# KiCad board testhologram.kicad_pcb
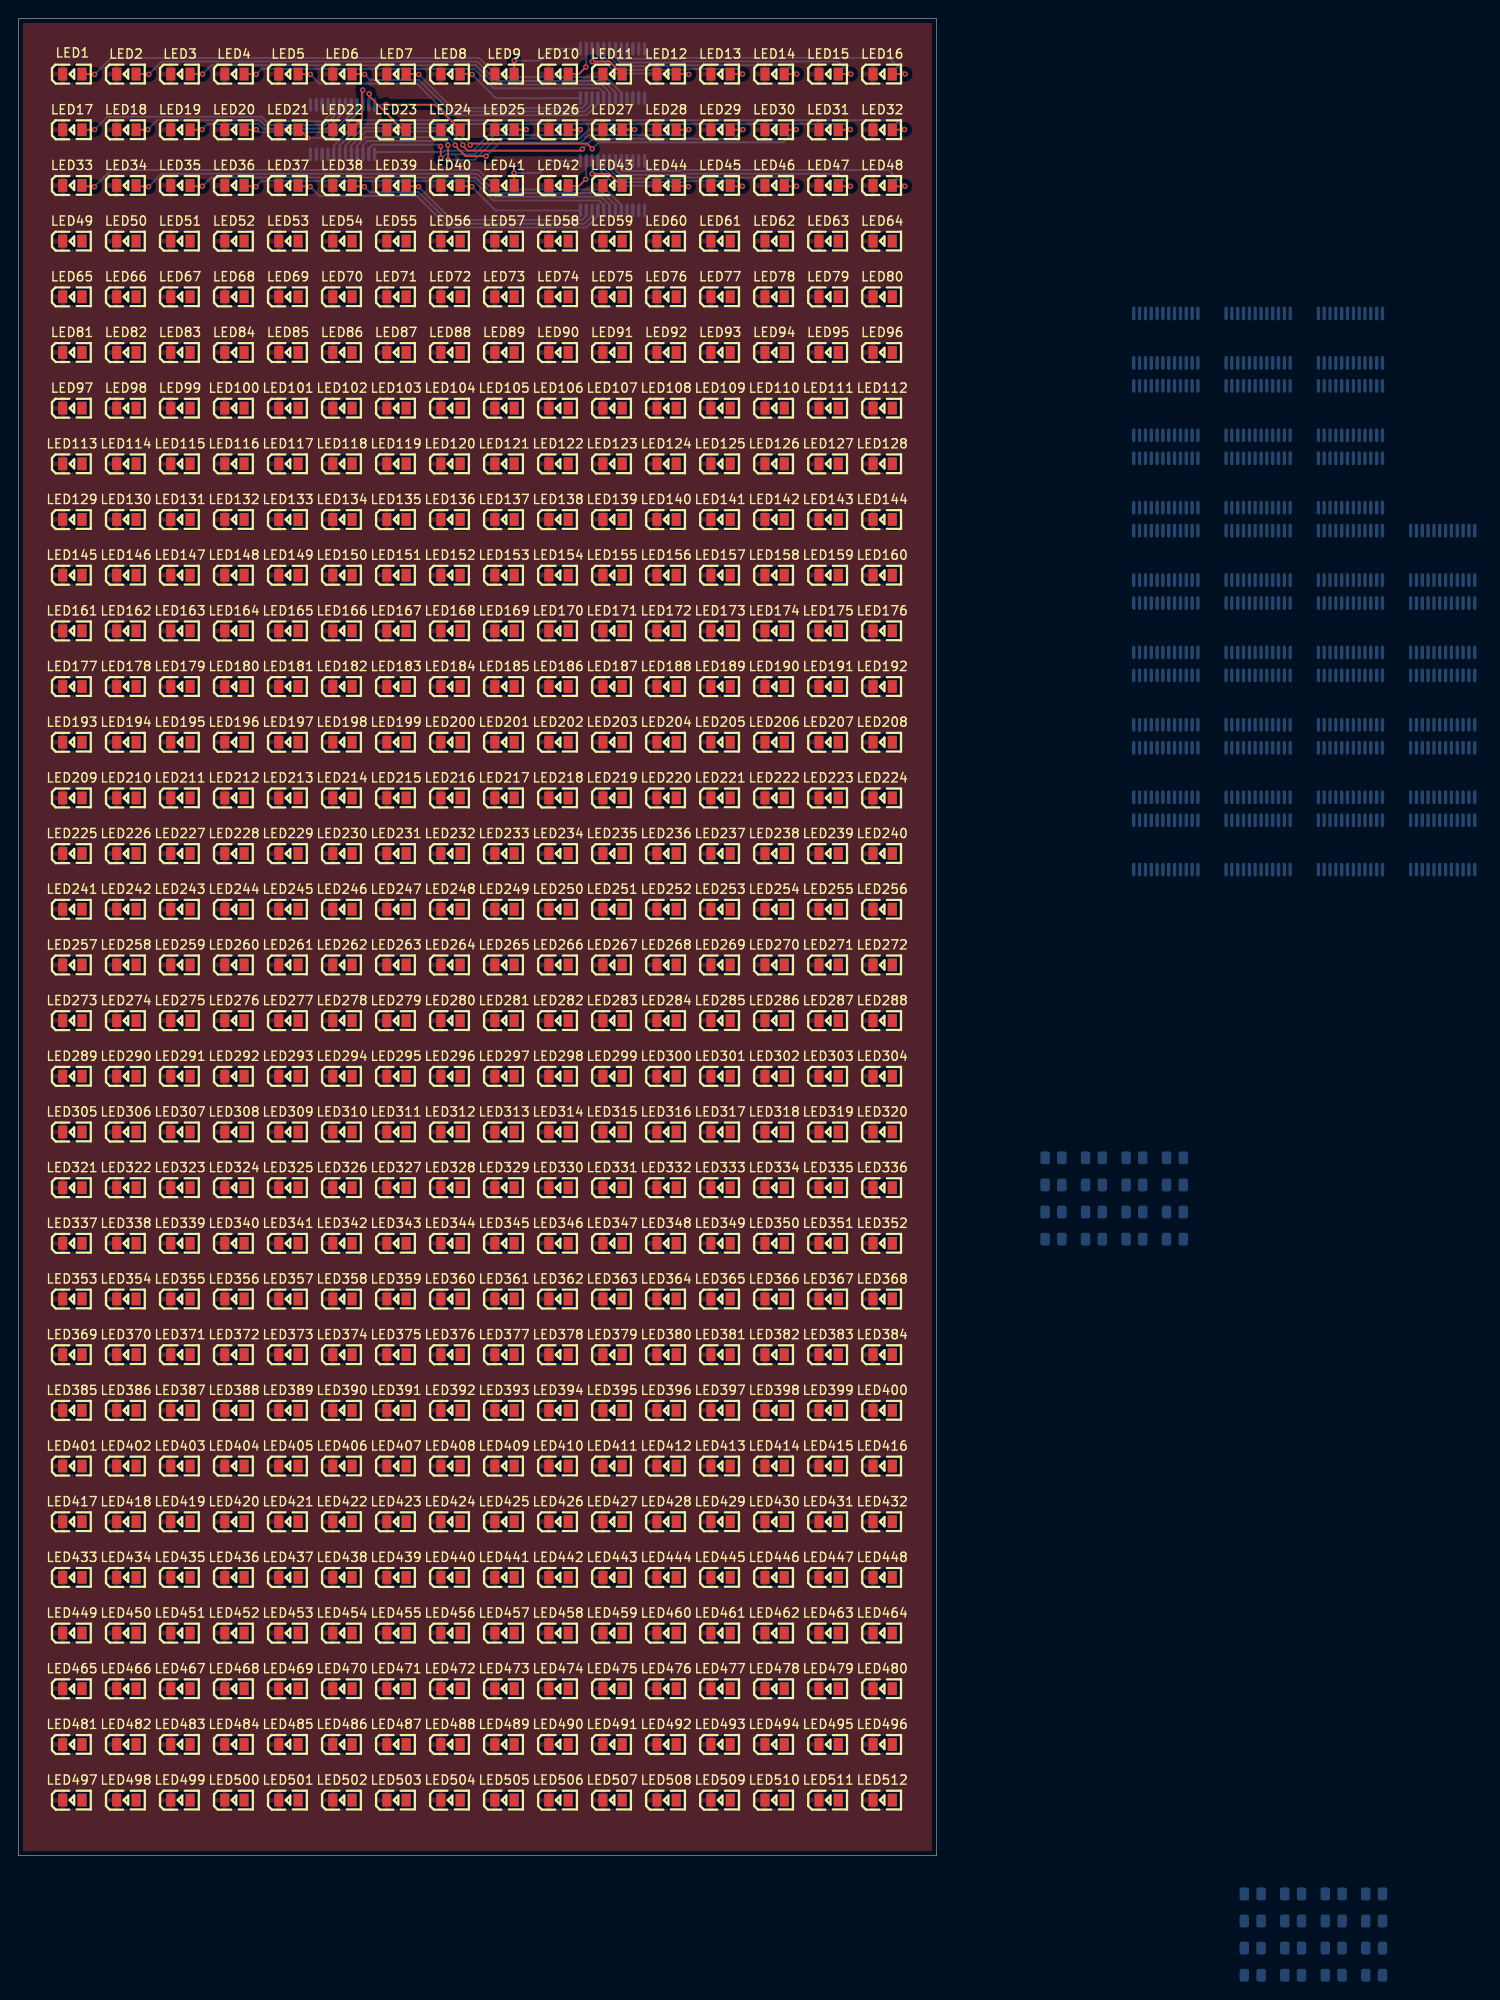
[diagram p0: board, top side]
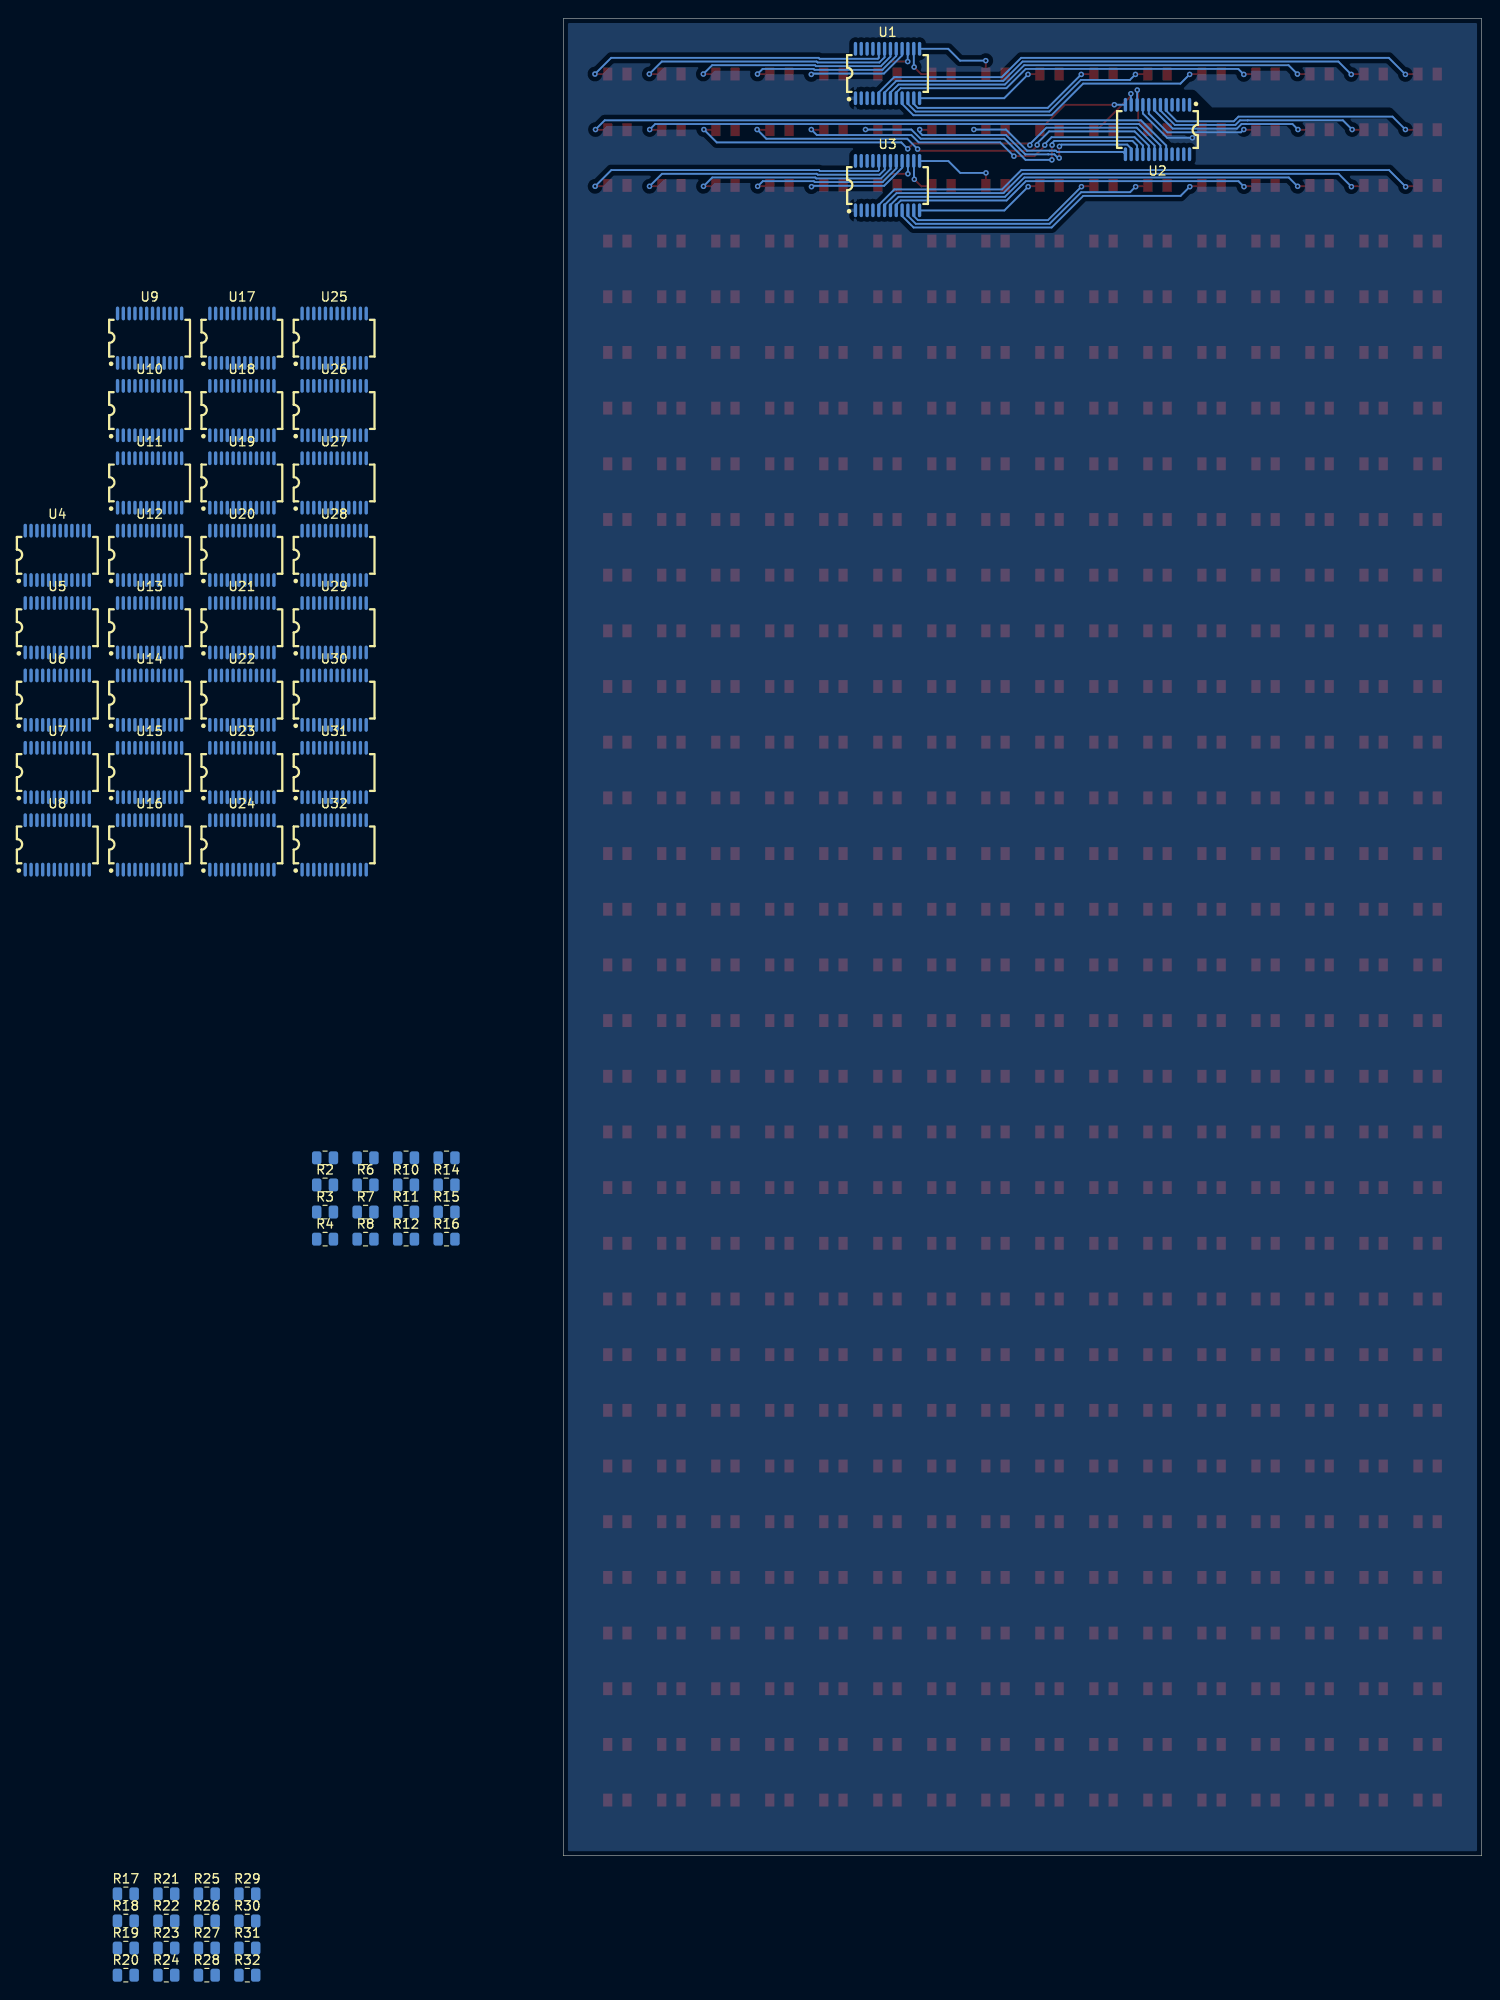
[diagram p1: board, bottom side, seen from below]

Outline 100 x 200 mm; copper layers: Top, Bottom. Coordinates in mm from the lower left corner of the outline.
Outline path: rectangle 0,200 100,0

## Placement (name value [footprint] x y rotation side)
LED1  0805G (Green)  [LED0805-R-RD]  5.88 193.94 0 top
LED2  0805G (Green)  [LED0805-R-RD]  11.76 193.94 0 top
LED3  0805G (Green)  [LED0805-R-RD]  17.65 193.94 0 top
LED4  0805G (Green)  [LED0805-R-RD]  23.53 193.94 0 top
LED5  0805G (Green)  [LED0805-R-RD]  29.41 193.94 0 top
LED6  0805G (Green)  [LED0805-R-RD]  35.29 193.94 0 top
LED7  0805G (Green)  [LED0805-R-RD]  41.18 193.94 0 top
LED8  0805G (Green)  [LED0805-R-RD]  47.06 193.94 0 top
LED9  0805G (Green)  [LED0805-R-RD]  52.94 193.94 0 top
LED10  0805G (Green)  [LED0805-R-RD]  58.82 193.94 0 top
LED11  0805G (Green)  [LED0805-R-RD]  64.71 193.94 0 top
LED12  0805G (Green)  [LED0805-R-RD]  70.59 193.94 0 top
LED13  0805G (Green)  [LED0805-R-RD]  76.47 193.94 0 top
LED14  0805G (Green)  [LED0805-R-RD]  82.35 193.94 0 top
LED15  0805G (Green)  [LED0805-R-RD]  88.24 193.94 0 top
LED16  0805G (Green)  [LED0805-R-RD]  94.12 193.94 0 top
LED17  0805G (Green)  [LED0805-R-RD]  5.88 187.88 0 top
LED18  0805G (Green)  [LED0805-R-RD]  11.76 187.88 0 top
LED19  0805G (Green)  [LED0805-R-RD]  17.65 187.88 0 top
LED20  0805G (Green)  [LED0805-R-RD]  23.53 187.88 0 top
LED21  0805G (Green)  [LED0805-R-RD]  29.41 187.88 0 top
LED22  0805G (Green)  [LED0805-R-RD]  35.29 187.88 0 top
LED23  0805G (Green)  [LED0805-R-RD]  41.18 187.88 0 top
LED24  0805G (Green)  [LED0805-R-RD]  47.06 187.88 0 top
LED25  0805G (Green)  [LED0805-R-RD]  52.94 187.88 0 top
LED26  0805G (Green)  [LED0805-R-RD]  58.82 187.88 0 top
LED27  0805G (Green)  [LED0805-R-RD]  64.71 187.88 0 top
LED28  0805G (Green)  [LED0805-R-RD]  70.59 187.88 0 top
LED29  0805G (Green)  [LED0805-R-RD]  76.47 187.88 0 top
LED30  0805G (Green)  [LED0805-R-RD]  82.35 187.88 0 top
LED31  0805G (Green)  [LED0805-R-RD]  88.24 187.88 0 top
LED32  0805G (Green)  [LED0805-R-RD]  94.12 187.88 0 top
LED33  0805G (Green)  [LED0805-R-RD]  5.88 181.82 0 top
LED34  0805G (Green)  [LED0805-R-RD]  11.76 181.82 0 top
LED35  0805G (Green)  [LED0805-R-RD]  17.65 181.82 0 top
LED36  0805G (Green)  [LED0805-R-RD]  23.53 181.82 0 top
LED37  0805G (Green)  [LED0805-R-RD]  29.41 181.82 0 top
LED38  0805G (Green)  [LED0805-R-RD]  35.29 181.82 0 top
LED39  0805G (Green)  [LED0805-R-RD]  41.18 181.82 0 top
LED40  0805G (Green)  [LED0805-R-RD]  47.06 181.82 0 top
LED41  0805G (Green)  [LED0805-R-RD]  52.94 181.82 0 top
LED42  0805G (Green)  [LED0805-R-RD]  58.82 181.82 0 top
LED43  0805G (Green)  [LED0805-R-RD]  64.71 181.82 0 top
LED44  0805G (Green)  [LED0805-R-RD]  70.59 181.82 0 top
LED45  0805G (Green)  [LED0805-R-RD]  76.47 181.82 0 top
LED46  0805G (Green)  [LED0805-R-RD]  82.35 181.82 0 top
LED47  0805G (Green)  [LED0805-R-RD]  88.24 181.82 0 top
LED48  0805G (Green)  [LED0805-R-RD]  94.12 181.82 0 top
LED49  0805G (Green)  [LED0805-R-RD]  5.88 175.76 0 top
LED50  0805G (Green)  [LED0805-R-RD]  11.76 175.76 0 top
LED51  0805G (Green)  [LED0805-R-RD]  17.65 175.76 0 top
LED52  0805G (Green)  [LED0805-R-RD]  23.53 175.76 0 top
LED53  0805G (Green)  [LED0805-R-RD]  29.41 175.76 0 top
LED54  0805G (Green)  [LED0805-R-RD]  35.29 175.76 0 top
LED55  0805G (Green)  [LED0805-R-RD]  41.18 175.76 0 top
LED56  0805G (Green)  [LED0805-R-RD]  47.06 175.76 0 top
LED57  0805G (Green)  [LED0805-R-RD]  52.94 175.76 0 top
LED58  0805G (Green)  [LED0805-R-RD]  58.82 175.76 0 top
LED59  0805G (Green)  [LED0805-R-RD]  64.71 175.76 0 top
LED60  0805G (Green)  [LED0805-R-RD]  70.59 175.76 0 top
LED61  0805G (Green)  [LED0805-R-RD]  76.47 175.76 0 top
LED62  0805G (Green)  [LED0805-R-RD]  82.35 175.76 0 top
LED63  0805G (Green)  [LED0805-R-RD]  88.24 175.76 0 top
LED64  0805G (Green)  [LED0805-R-RD]  94.12 175.76 0 top
LED65  0805G (Green)  [LED0805-R-RD]  5.88 169.7 0 top
LED66  0805G (Green)  [LED0805-R-RD]  11.76 169.7 0 top
LED67  0805G (Green)  [LED0805-R-RD]  17.65 169.7 0 top
LED68  0805G (Green)  [LED0805-R-RD]  23.53 169.7 0 top
LED69  0805G (Green)  [LED0805-R-RD]  29.41 169.7 0 top
LED70  0805G (Green)  [LED0805-R-RD]  35.29 169.7 0 top
LED71  0805G (Green)  [LED0805-R-RD]  41.18 169.7 0 top
LED72  0805G (Green)  [LED0805-R-RD]  47.06 169.7 0 top
LED73  0805G (Green)  [LED0805-R-RD]  52.94 169.7 0 top
LED74  0805G (Green)  [LED0805-R-RD]  58.82 169.7 0 top
LED75  0805G (Green)  [LED0805-R-RD]  64.71 169.7 0 top
LED76  0805G (Green)  [LED0805-R-RD]  70.59 169.7 0 top
LED77  0805G (Green)  [LED0805-R-RD]  76.47 169.7 0 top
LED78  0805G (Green)  [LED0805-R-RD]  82.35 169.7 0 top
LED79  0805G (Green)  [LED0805-R-RD]  88.24 169.7 0 top
LED80  0805G (Green)  [LED0805-R-RD]  94.12 169.7 0 top
LED81  0805G (Green)  [LED0805-R-RD]  5.88 163.64 0 top
LED82  0805G (Green)  [LED0805-R-RD]  11.76 163.64 0 top
LED83  0805G (Green)  [LED0805-R-RD]  17.65 163.64 0 top
LED84  0805G (Green)  [LED0805-R-RD]  23.53 163.64 0 top
LED85  0805G (Green)  [LED0805-R-RD]  29.41 163.64 0 top
LED86  0805G (Green)  [LED0805-R-RD]  35.29 163.64 0 top
LED87  0805G (Green)  [LED0805-R-RD]  41.18 163.64 0 top
LED88  0805G (Green)  [LED0805-R-RD]  47.06 163.64 0 top
LED89  0805G (Green)  [LED0805-R-RD]  52.94 163.64 0 top
LED90  0805G (Green)  [LED0805-R-RD]  58.82 163.64 0 top
LED91  0805G (Green)  [LED0805-R-RD]  64.71 163.64 0 top
LED92  0805G (Green)  [LED0805-R-RD]  70.59 163.64 0 top
LED93  0805G (Green)  [LED0805-R-RD]  76.47 163.64 0 top
LED94  0805G (Green)  [LED0805-R-RD]  82.35 163.64 0 top
LED95  0805G (Green)  [LED0805-R-RD]  88.24 163.64 0 top
LED96  0805G (Green)  [LED0805-R-RD]  94.12 163.64 0 top
LED97  0805G (Green)  [LED0805-R-RD]  5.88 157.58 0 top
LED98  0805G (Green)  [LED0805-R-RD]  11.76 157.58 0 top
LED99  0805G (Green)  [LED0805-R-RD]  17.65 157.58 0 top
LED100  0805G (Green)  [LED0805-R-RD]  23.53 157.58 0 top
LED101  0805G (Green)  [LED0805-R-RD]  29.41 157.58 0 top
LED102  0805G (Green)  [LED0805-R-RD]  35.29 157.58 0 top
LED103  0805G (Green)  [LED0805-R-RD]  41.18 157.58 0 top
LED104  0805G (Green)  [LED0805-R-RD]  47.06 157.58 0 top
LED105  0805G (Green)  [LED0805-R-RD]  52.94 157.58 0 top
LED106  0805G (Green)  [LED0805-R-RD]  58.82 157.58 0 top
LED107  0805G (Green)  [LED0805-R-RD]  64.71 157.58 0 top
LED108  0805G (Green)  [LED0805-R-RD]  70.59 157.58 0 top
LED109  0805G (Green)  [LED0805-R-RD]  76.47 157.58 0 top
LED110  0805G (Green)  [LED0805-R-RD]  82.35 157.58 0 top
LED111  0805G (Green)  [LED0805-R-RD]  88.24 157.58 0 top
LED112  0805G (Green)  [LED0805-R-RD]  94.12 157.58 0 top
LED113  0805G (Green)  [LED0805-R-RD]  5.88 151.52 0 top
LED114  0805G (Green)  [LED0805-R-RD]  11.76 151.52 0 top
LED115  0805G (Green)  [LED0805-R-RD]  17.65 151.52 0 top
LED116  0805G (Green)  [LED0805-R-RD]  23.53 151.52 0 top
LED117  0805G (Green)  [LED0805-R-RD]  29.41 151.52 0 top
LED118  0805G (Green)  [LED0805-R-RD]  35.29 151.52 0 top
LED119  0805G (Green)  [LED0805-R-RD]  41.18 151.52 0 top
LED120  0805G (Green)  [LED0805-R-RD]  47.06 151.52 0 top
LED121  0805G (Green)  [LED0805-R-RD]  52.94 151.52 0 top
LED122  0805G (Green)  [LED0805-R-RD]  58.82 151.52 0 top
LED123  0805G (Green)  [LED0805-R-RD]  64.71 151.52 0 top
LED124  0805G (Green)  [LED0805-R-RD]  70.59 151.52 0 top
LED125  0805G (Green)  [LED0805-R-RD]  76.47 151.52 0 top
LED126  0805G (Green)  [LED0805-R-RD]  82.35 151.52 0 top
LED127  0805G (Green)  [LED0805-R-RD]  88.24 151.52 0 top
LED128  0805G (Green)  [LED0805-R-RD]  94.12 151.52 0 top
LED129  0805G (Green)  [LED0805-R-RD]  5.88 145.45 0 top
LED130  0805G (Green)  [LED0805-R-RD]  11.76 145.45 0 top
LED131  0805G (Green)  [LED0805-R-RD]  17.65 145.45 0 top
LED132  0805G (Green)  [LED0805-R-RD]  23.53 145.45 0 top
LED133  0805G (Green)  [LED0805-R-RD]  29.41 145.45 0 top
LED134  0805G (Green)  [LED0805-R-RD]  35.29 145.45 0 top
LED135  0805G (Green)  [LED0805-R-RD]  41.18 145.45 0 top
LED136  0805G (Green)  [LED0805-R-RD]  47.06 145.45 0 top
LED137  0805G (Green)  [LED0805-R-RD]  52.94 145.45 0 top
LED138  0805G (Green)  [LED0805-R-RD]  58.82 145.45 0 top
LED139  0805G (Green)  [LED0805-R-RD]  64.71 145.45 0 top
LED140  0805G (Green)  [LED0805-R-RD]  70.59 145.45 0 top
LED141  0805G (Green)  [LED0805-R-RD]  76.47 145.45 0 top
LED142  0805G (Green)  [LED0805-R-RD]  82.35 145.45 0 top
LED143  0805G (Green)  [LED0805-R-RD]  88.24 145.45 0 top
LED144  0805G (Green)  [LED0805-R-RD]  94.12 145.45 0 top
LED145  0805G (Green)  [LED0805-R-RD]  5.88 139.39 0 top
LED146  0805G (Green)  [LED0805-R-RD]  11.76 139.39 0 top
LED147  0805G (Green)  [LED0805-R-RD]  17.65 139.39 0 top
LED148  0805G (Green)  [LED0805-R-RD]  23.53 139.39 0 top
LED149  0805G (Green)  [LED0805-R-RD]  29.41 139.39 0 top
LED150  0805G (Green)  [LED0805-R-RD]  35.29 139.39 0 top
LED151  0805G (Green)  [LED0805-R-RD]  41.18 139.39 0 top
LED152  0805G (Green)  [LED0805-R-RD]  47.06 139.39 0 top
LED153  0805G (Green)  [LED0805-R-RD]  52.94 139.39 0 top
LED154  0805G (Green)  [LED0805-R-RD]  58.82 139.39 0 top
LED155  0805G (Green)  [LED0805-R-RD]  64.71 139.39 0 top
LED156  0805G (Green)  [LED0805-R-RD]  70.59 139.39 0 top
LED157  0805G (Green)  [LED0805-R-RD]  76.47 139.39 0 top
LED158  0805G (Green)  [LED0805-R-RD]  82.35 139.39 0 top
LED159  0805G (Green)  [LED0805-R-RD]  88.24 139.39 0 top
LED160  0805G (Green)  [LED0805-R-RD]  94.12 139.39 0 top
LED161  0805G (Green)  [LED0805-R-RD]  5.88 133.33 0 top
LED162  0805G (Green)  [LED0805-R-RD]  11.76 133.33 0 top
LED163  0805G (Green)  [LED0805-R-RD]  17.65 133.33 0 top
LED164  0805G (Green)  [LED0805-R-RD]  23.53 133.33 0 top
LED165  0805G (Green)  [LED0805-R-RD]  29.41 133.33 0 top
LED166  0805G (Green)  [LED0805-R-RD]  35.29 133.33 0 top
LED167  0805G (Green)  [LED0805-R-RD]  41.18 133.33 0 top
LED168  0805G (Green)  [LED0805-R-RD]  47.06 133.33 0 top
LED169  0805G (Green)  [LED0805-R-RD]  52.94 133.33 0 top
LED170  0805G (Green)  [LED0805-R-RD]  58.82 133.33 0 top
LED171  0805G (Green)  [LED0805-R-RD]  64.71 133.33 0 top
LED172  0805G (Green)  [LED0805-R-RD]  70.59 133.33 0 top
LED173  0805G (Green)  [LED0805-R-RD]  76.47 133.33 0 top
LED174  0805G (Green)  [LED0805-R-RD]  82.35 133.33 0 top
LED175  0805G (Green)  [LED0805-R-RD]  88.24 133.33 0 top
LED176  0805G (Green)  [LED0805-R-RD]  94.12 133.33 0 top
LED177  0805G (Green)  [LED0805-R-RD]  5.88 127.27 0 top
LED178  0805G (Green)  [LED0805-R-RD]  11.76 127.27 0 top
LED179  0805G (Green)  [LED0805-R-RD]  17.65 127.27 0 top
LED180  0805G (Green)  [LED0805-R-RD]  23.53 127.27 0 top
LED181  0805G (Green)  [LED0805-R-RD]  29.41 127.27 0 top
LED182  0805G (Green)  [LED0805-R-RD]  35.29 127.27 0 top
LED183  0805G (Green)  [LED0805-R-RD]  41.18 127.27 0 top
LED184  0805G (Green)  [LED0805-R-RD]  47.06 127.27 0 top
LED185  0805G (Green)  [LED0805-R-RD]  52.94 127.27 0 top
LED186  0805G (Green)  [LED0805-R-RD]  58.82 127.27 0 top
LED187  0805G (Green)  [LED0805-R-RD]  64.71 127.27 0 top
LED188  0805G (Green)  [LED0805-R-RD]  70.59 127.27 0 top
LED189  0805G (Green)  [LED0805-R-RD]  76.47 127.27 0 top
LED190  0805G (Green)  [LED0805-R-RD]  82.35 127.27 0 top
LED191  0805G (Green)  [LED0805-R-RD]  88.24 127.27 0 top
LED192  0805G (Green)  [LED0805-R-RD]  94.12 127.27 0 top
LED193  0805G (Green)  [LED0805-R-RD]  5.88 121.21 0 top
LED194  0805G (Green)  [LED0805-R-RD]  11.76 121.21 0 top
LED195  0805G (Green)  [LED0805-R-RD]  17.65 121.21 0 top
LED196  0805G (Green)  [LED0805-R-RD]  23.53 121.21 0 top
LED197  0805G (Green)  [LED0805-R-RD]  29.41 121.21 0 top
LED198  0805G (Green)  [LED0805-R-RD]  35.29 121.21 0 top
LED199  0805G (Green)  [LED0805-R-RD]  41.18 121.21 0 top
LED200  0805G (Green)  [LED0805-R-RD]  47.06 121.21 0 top
LED201  0805G (Green)  [LED0805-R-RD]  52.94 121.21 0 top
LED202  0805G (Green)  [LED0805-R-RD]  58.82 121.21 0 top
LED203  0805G (Green)  [LED0805-R-RD]  64.71 121.21 0 top
LED204  0805G (Green)  [LED0805-R-RD]  70.59 121.21 0 top
LED205  0805G (Green)  [LED0805-R-RD]  76.47 121.21 0 top
LED206  0805G (Green)  [LED0805-R-RD]  82.35 121.21 0 top
LED207  0805G (Green)  [LED0805-R-RD]  88.24 121.21 0 top
LED208  0805G (Green)  [LED0805-R-RD]  94.12 121.21 0 top
LED209  0805G (Green)  [LED0805-R-RD]  5.88 115.15 0 top
LED210  0805G (Green)  [LED0805-R-RD]  11.76 115.15 0 top
LED211  0805G (Green)  [LED0805-R-RD]  17.65 115.15 0 top
LED212  0805G (Green)  [LED0805-R-RD]  23.53 115.15 0 top
LED213  0805G (Green)  [LED0805-R-RD]  29.41 115.15 0 top
LED214  0805G (Green)  [LED0805-R-RD]  35.29 115.15 0 top
LED215  0805G (Green)  [LED0805-R-RD]  41.18 115.15 0 top
LED216  0805G (Green)  [LED0805-R-RD]  47.06 115.15 0 top
LED217  0805G (Green)  [LED0805-R-RD]  52.94 115.15 0 top
LED218  0805G (Green)  [LED0805-R-RD]  58.82 115.15 0 top
LED219  0805G (Green)  [LED0805-R-RD]  64.71 115.15 0 top
LED220  0805G (Green)  [LED0805-R-RD]  70.59 115.15 0 top
LED221  0805G (Green)  [LED0805-R-RD]  76.47 115.15 0 top
LED222  0805G (Green)  [LED0805-R-RD]  82.35 115.15 0 top
LED223  0805G (Green)  [LED0805-R-RD]  88.24 115.15 0 top
LED224  0805G (Green)  [LED0805-R-RD]  94.12 115.15 0 top
LED225  0805G (Green)  [LED0805-R-RD]  5.88 109.09 0 top
LED226  0805G (Green)  [LED0805-R-RD]  11.76 109.09 0 top
LED227  0805G (Green)  [LED0805-R-RD]  17.65 109.09 0 top
LED228  0805G (Green)  [LED0805-R-RD]  23.53 109.09 0 top
LED229  0805G (Green)  [LED0805-R-RD]  29.41 109.09 0 top
LED230  0805G (Green)  [LED0805-R-RD]  35.29 109.09 0 top
LED231  0805G (Green)  [LED0805-R-RD]  41.18 109.09 0 top
LED232  0805G (Green)  [LED0805-R-RD]  47.06 109.09 0 top
LED233  0805G (Green)  [LED0805-R-RD]  52.94 109.09 0 top
LED234  0805G (Green)  [LED0805-R-RD]  58.82 109.09 0 top
LED235  0805G (Green)  [LED0805-R-RD]  64.71 109.09 0 top
LED236  0805G (Green)  [LED0805-R-RD]  70.59 109.09 0 top
LED237  0805G (Green)  [LED0805-R-RD]  76.47 109.09 0 top
LED238  0805G (Green)  [LED0805-R-RD]  82.35 109.09 0 top
LED239  0805G (Green)  [LED0805-R-RD]  88.24 109.09 0 top
LED240  0805G (Green)  [LED0805-R-RD]  94.12 109.09 0 top
LED241  0805G (Green)  [LED0805-R-RD]  5.88 103.03 0 top
LED242  0805G (Green)  [LED0805-R-RD]  11.76 103.03 0 top
LED243  0805G (Green)  [LED0805-R-RD]  17.65 103.03 0 top
LED244  0805G (Green)  [LED0805-R-RD]  23.53 103.03 0 top
LED245  0805G (Green)  [LED0805-R-RD]  29.41 103.03 0 top
LED246  0805G (Green)  [LED0805-R-RD]  35.29 103.03 0 top
LED247  0805G (Green)  [LED0805-R-RD]  41.18 103.03 0 top
LED248  0805G (Green)  [LED0805-R-RD]  47.06 103.03 0 top
LED249  0805G (Green)  [LED0805-R-RD]  52.94 103.03 0 top
LED250  0805G (Green)  [LED0805-R-RD]  58.82 103.03 0 top
LED251  0805G (Green)  [LED0805-R-RD]  64.71 103.03 0 top
LED252  0805G (Green)  [LED0805-R-RD]  70.59 103.03 0 top
LED253  0805G (Green)  [LED0805-R-RD]  76.47 103.03 0 top
LED254  0805G (Green)  [LED0805-R-RD]  82.35 103.03 0 top
LED255  0805G (Green)  [LED0805-R-RD]  88.24 103.03 0 top
LED256  0805G (Green)  [LED0805-R-RD]  94.12 103.03 0 top
LED257  0805G (Green)  [LED0805-R-RD]  5.88 96.97 0 top
LED258  0805G (Green)  [LED0805-R-RD]  11.76 96.97 0 top
LED259  0805G (Green)  [LED0805-R-RD]  17.65 96.97 0 top
LED260  0805G (Green)  [LED0805-R-RD]  23.53 96.97 0 top
LED261  0805G (Green)  [LED0805-R-RD]  29.41 96.97 0 top
LED262  0805G (Green)  [LED0805-R-RD]  35.29 96.97 0 top
LED263  0805G (Green)  [LED0805-R-RD]  41.18 96.97 0 top
LED264  0805G (Green)  [LED0805-R-RD]  47.06 96.97 0 top
LED265  0805G (Green)  [LED0805-R-RD]  52.94 96.97 0 top
LED266  0805G (Green)  [LED0805-R-RD]  58.82 96.97 0 top
LED267  0805G (Green)  [LED0805-R-RD]  64.71 96.97 0 top
LED268  0805G (Green)  [LED0805-R-RD]  70.59 96.97 0 top
LED269  0805G (Green)  [LED0805-R-RD]  76.47 96.97 0 top
LED270  0805G (Green)  [LED0805-R-RD]  82.35 96.97 0 top
LED271  0805G (Green)  [LED0805-R-RD]  88.24 96.97 0 top
LED272  0805G (Green)  [LED0805-R-RD]  94.12 96.97 0 top
LED273  0805G (Green)  [LED0805-R-RD]  5.88 90.91 0 top
LED274  0805G (Green)  [LED0805-R-RD]  11.76 90.91 0 top
LED275  0805G (Green)  [LED0805-R-RD]  17.65 90.91 0 top
LED276  0805G (Green)  [LED0805-R-RD]  23.53 90.91 0 top
LED277  0805G (Green)  [LED0805-R-RD]  29.41 90.91 0 top
LED278  0805G (Green)  [LED0805-R-RD]  35.29 90.91 0 top
LED279  0805G (Green)  [LED0805-R-RD]  41.18 90.91 0 top
LED280  0805G (Green)  [LED0805-R-RD]  47.06 90.91 0 top
LED281  0805G (Green)  [LED0805-R-RD]  52.94 90.91 0 top
LED282  0805G (Green)  [LED0805-R-RD]  58.82 90.91 0 top
LED283  0805G (Green)  [LED0805-R-RD]  64.71 90.91 0 top
LED284  0805G (Green)  [LED0805-R-RD]  70.59 90.91 0 top
LED285  0805G (Green)  [LED0805-R-RD]  76.47 90.91 0 top
LED286  0805G (Green)  [LED0805-R-RD]  82.35 90.91 0 top
LED287  0805G (Green)  [LED0805-R-RD]  88.24 90.91 0 top
LED288  0805G (Green)  [LED0805-R-RD]  94.12 90.91 0 top
LED289  0805G (Green)  [LED0805-R-RD]  5.88 84.85 0 top
LED290  0805G (Green)  [LED0805-R-RD]  11.76 84.85 0 top
LED291  0805G (Green)  [LED0805-R-RD]  17.65 84.85 0 top
LED292  0805G (Green)  [LED0805-R-RD]  23.53 84.85 0 top
LED293  0805G (Green)  [LED0805-R-RD]  29.41 84.85 0 top
LED294  0805G (Green)  [LED0805-R-RD]  35.29 84.85 0 top
LED295  0805G (Green)  [LED0805-R-RD]  41.18 84.85 0 top
LED296  0805G (Green)  [LED0805-R-RD]  47.06 84.85 0 top
LED297  0805G (Green)  [LED0805-R-RD]  52.94 84.85 0 top
LED298  0805G (Green)  [LED0805-R-RD]  58.82 84.85 0 top
LED299  0805G (Green)  [LED0805-R-RD]  64.71 84.85 0 top
LED300  0805G (Green)  [LED0805-R-RD]  70.59 84.85 0 top
LED301  0805G (Green)  [LED0805-R-RD]  76.47 84.85 0 top
LED302  0805G (Green)  [LED0805-R-RD]  82.35 84.85 0 top
LED303  0805G (Green)  [LED0805-R-RD]  88.24 84.85 0 top
LED304  0805G (Green)  [LED0805-R-RD]  94.12 84.85 0 top
LED305  0805G (Green)  [LED0805-R-RD]  5.88 78.79 0 top
LED306  0805G (Green)  [LED0805-R-RD]  11.76 78.79 0 top
LED307  0805G (Green)  [LED0805-R-RD]  17.65 78.79 0 top
LED308  0805G (Green)  [LED0805-R-RD]  23.53 78.79 0 top
LED309  0805G (Green)  [LED0805-R-RD]  29.41 78.79 0 top
LED310  0805G (Green)  [LED0805-R-RD]  35.29 78.79 0 top
LED311  0805G (Green)  [LED0805-R-RD]  41.18 78.79 0 top
LED312  0805G (Green)  [LED0805-R-RD]  47.06 78.79 0 top
LED313  0805G (Green)  [LED0805-R-RD]  52.94 78.79 0 top
LED314  0805G (Green)  [LED0805-R-RD]  58.82 78.79 0 top
LED315  0805G (Green)  [LED0805-R-RD]  64.71 78.79 0 top
LED316  0805G (Green)  [LED0805-R-RD]  70.59 78.79 0 top
LED317  0805G (Green)  [LED0805-R-RD]  76.47 78.79 0 top
LED318  0805G (Green)  [LED0805-R-RD]  82.35 78.79 0 top
LED319  0805G (Green)  [LED0805-R-RD]  88.24 78.79 0 top
LED320  0805G (Green)  [LED0805-R-RD]  94.12 78.79 0 top
LED321  0805G (Green)  [LED0805-R-RD]  5.88 72.73 0 top
LED322  0805G (Green)  [LED0805-R-RD]  11.76 72.73 0 top
LED323  0805G (Green)  [LED0805-R-RD]  17.65 72.73 0 top
LED324  0805G (Green)  [LED0805-R-RD]  23.53 72.73 0 top
LED325  0805G (Green)  [LED0805-R-RD]  29.41 72.73 0 top
LED326  0805G (Green)  [LED0805-R-RD]  35.29 72.73 0 top
LED327  0805G (Green)  [LED0805-R-RD]  41.18 72.73 0 top